# Altium PCB PCB-SM01.PcbDoc (part 1 of 4)
Units mm, origin at the board's own origin, x right, y up, seen from the top; angles counter-clockwise.
Board outline 208.23 x 194.9 mm, 2 copper layers (Top Layer, Bottom Layer); 394 components, 287 nets, 1171 pads, 418 vias.
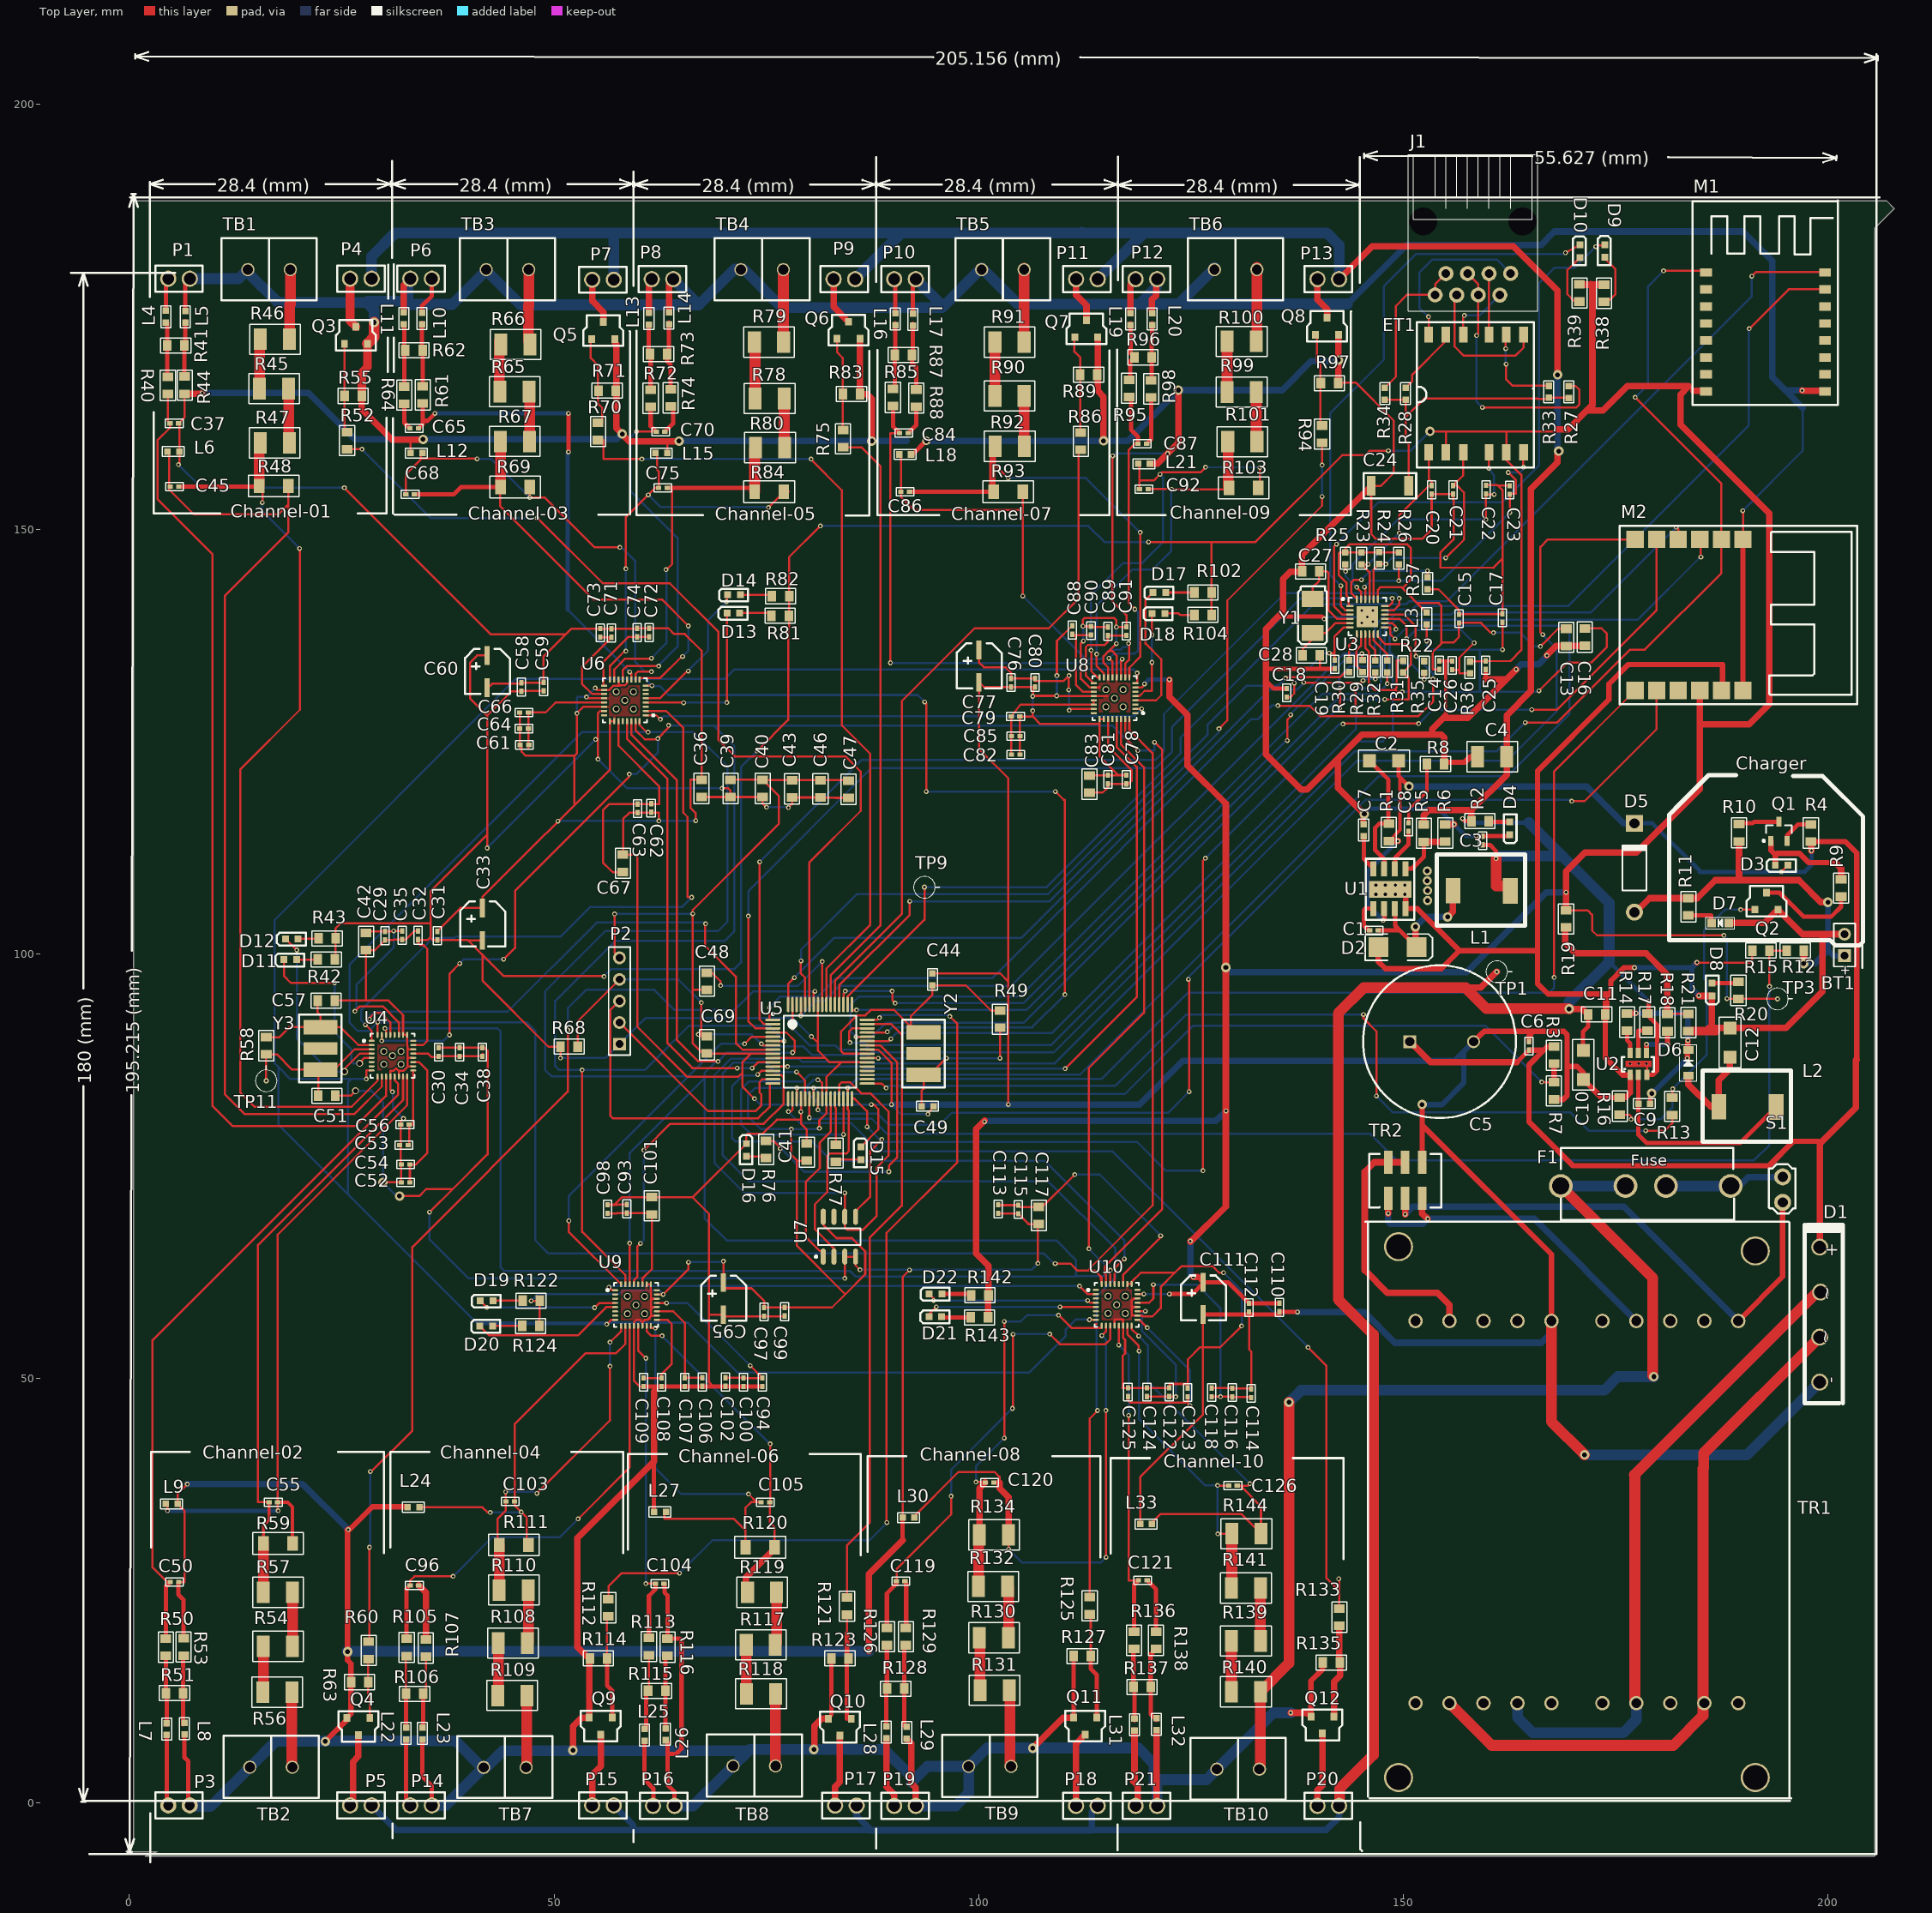
[diagram p0: Top Layer view]
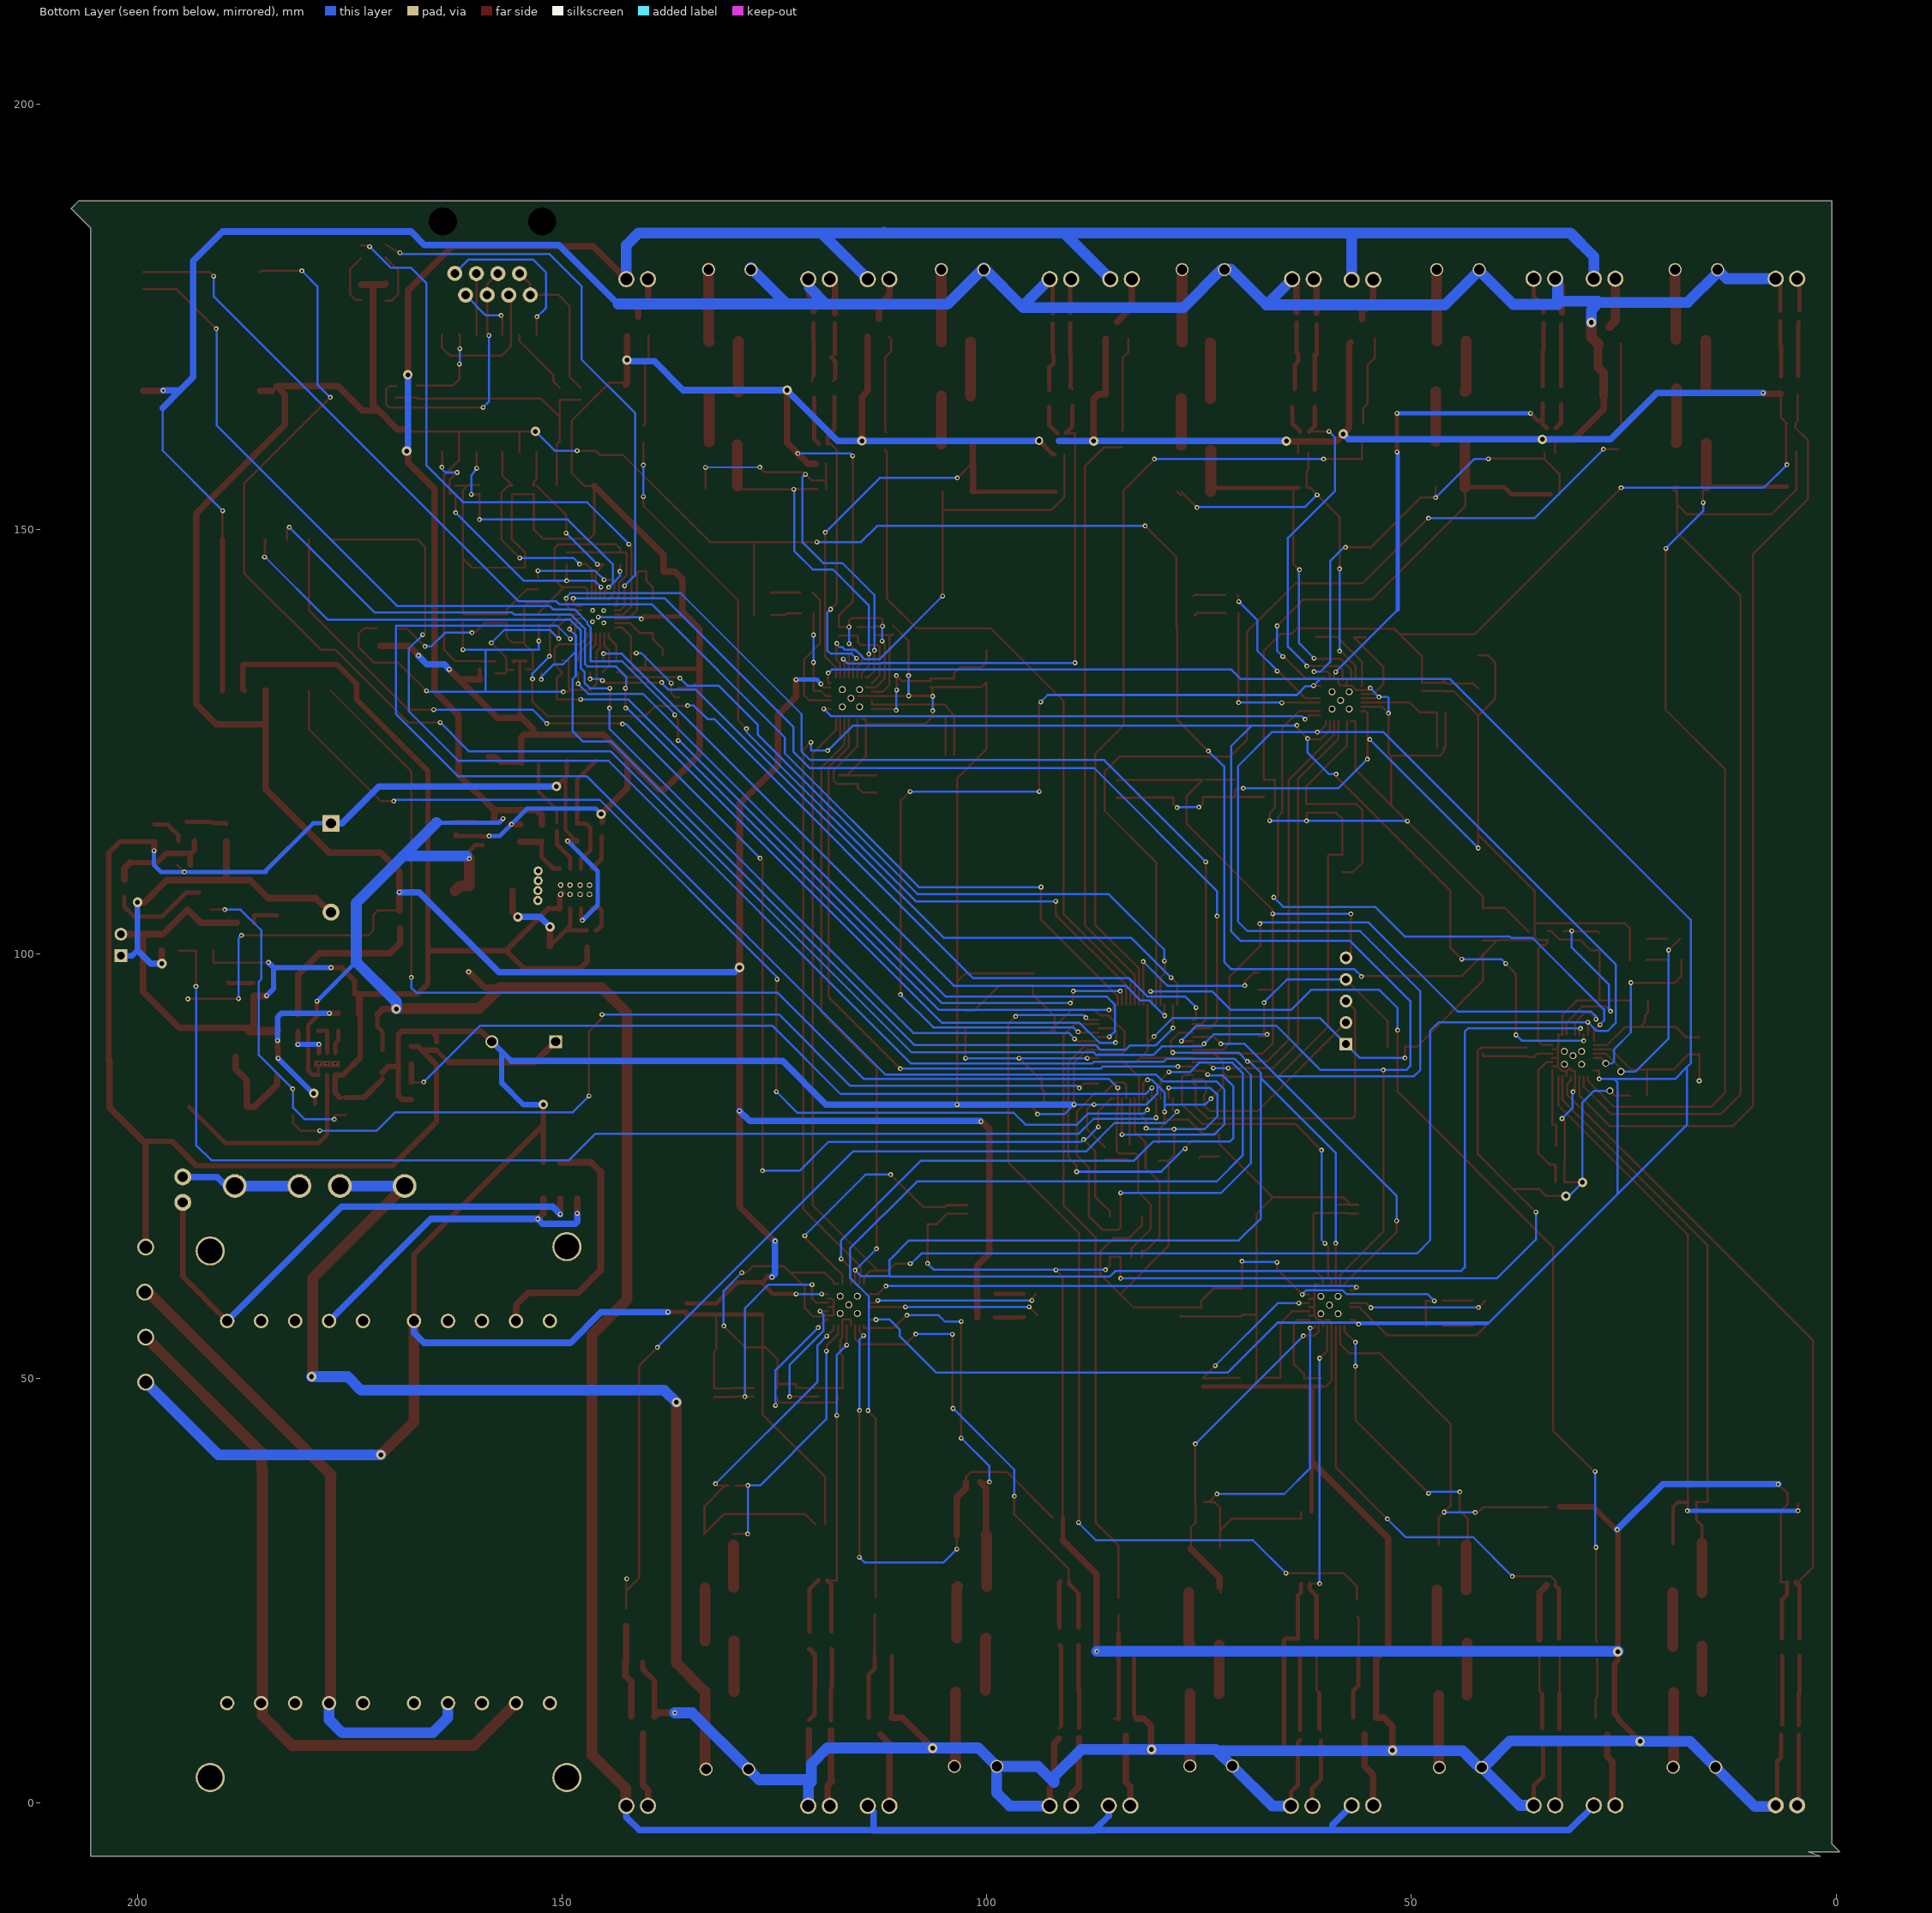
[diagram p1: Bottom Layer view, seen from below]

## Layer stack, top to bottom
Top Layer: signal copper 0.0356
Dielectric: dielectric 0.32, FR-4, Dk 4.8
Bottom Layer: signal copper 0.0356

## Board outline
1.859,-6.231 205.484,-6.231 205.484,185.444 207.784,187.744 206.859,188.669 0.484,188.669 0.484,-4.831 -0.441,-5.756 3.234,-5.756

## Design rules (kind name [scope] priority, off if disabled: settings)
Clearance [All] p1: gap=0.198
PolygonConnect [All] p1: connectstyle=Relief reliefconductorwidth=0.254 reliefentries=4 polygonreliefangle="90 Angle" airgapwidth=0.254
RoutingTopology [All] p1: topology=Daisy_MidDriven
RoutingVias [All] p1: holewidth=0.305 width=0.559 viastyle="Through Hole" minholewidth=0.305 minwidth=0.559 maxholewidth=0.305 maxwidth=0.559
SolderMaskExpansion [All] p1: expansion=0.102
Width [All] p1: maxlimit=1.27 minlimit=0.254 preferedwidth=0.254
27 further rules are at their usual default settings.

## Classes and differential pairs
component class Sheet3-new: C73 C75 C93 C95 C96 C99 C100 C102 C103 C104 C105 C106 C107 C108 C109 C110 C111 C112 C113 C114 C115 C116 C117 C118 C119 C120 C121 C122 C123 C124 C125 C126 D19 D20 D21 D22 L22 L23 L24 L25 L26 L27 L28 L29 L30 L31 L32 L33 L34 L35 L36 L37 L38 L39 L40 L41 L42 L43 M2 P14 P15 P16 P17 P18 P19 P20 P21 Q9 Q10 Q11 Q12 R98 R105 R106 R107 R108 R109 R110 R111 R113 R114 R115 R116 R118 R119 R120 R121 R122 R123 R124 R126 R127 R128 R129 R130 R131 R132 R134 R136 R137 R138 R139 R140 R141 R142 R143 R144 TB7 TB8 TB9 TB10 U9 U10 U11
component class Sheet2-new: C29 C30 C31 C32 C33 C34 C35 C38 C39 C42 C45 C46 C48 C49 C50 C51 C52 C53 C54 C55 C56 C57 C58 C59 C60 C61 C62 C63 C64 C65 C66 C67 C68 C70 C71 C72 C73 C74 C75 C76 C77 C78 C79 C80 C81 C82 C83 C84 C85 C86 C87 C88 C89 C90 C91 C92 D11 D12 D13 D14 D15 D16 D17 D18 L5 L6 L7 L8 L9 L10 L11 L12 L13 L14 L15 L16 L17 L18 L19 L20 L21 P1 P2 P3 P4 P5 P6 P8 P9 P10 P11 P12 P13 Q2 Q4 Q5 Q6 Q7 Q8 R26 R32 R40 R41 R42 R44 R45 R46 R47 R48 R50 R51 R52 R53 R54 R55 R56 R57 R59 R60 R61 R62 R63 R64 R65 R66 R67 R68 R69 R70 R71 R72 R73 R74 R75 R76 R77 R78 R79 R80 R81 R82 R84 R85 R86 R87 R88 R90 R91 R92 R93 R94 R95 R96 R98 R99 R100 R101 R102 R103 R104 TB2 TB3 TB5 TP9 TP11 U1 U6 U7 U8 Y2 Y3
component class Sheet1-new: BT1 C1 C2 C3 C4 C7 C8 C9 C10 C12 C14 C15 C17 C18 C19 C20 C21 C22 C23 C26 C27 D2 D3 D4 D6 D7 D8 D9 D10 F1 J1 L3 Q1 Q2 R1 R2 R3 R4 R5 R6 R7 R8 R9 R10 R11 R13 R14 R15 R16 R17 R18 R19 R20 R21 R24 R25 R26 R27 R28 R30 R31 R32 R33 R34 R37 R38 R39 S1 TP1 TP3 TR1 TR2 U2 Y1

## Components (designator, comment, footprint, x,y, rotation, side; value= is the part's Value field where it differs from the comment)
BT1 "9.0V" BAT-2 201.925,101.03 r90 top
C1 "10nF/6.3V" 0402C-GENERIC 146.02,102.731 r0 top
C2 "10uF/50V" 1206C-GENERIC 149.423,122.721 r180 top
C3 ".1uF" 0402C-GENERIC 159.304,112.815 r90 top
C4 "47uF/6.3V" 1210C-GENERIC 162.149,123.204 r180 top
C5 "2200uF/35v" 2200uF-Nichicon 150.737,89.65 r0 top
C6 "10n/35V" 0402C-GENERIC 164.765,88.634 r90 top
C7 ".1uF/50V" 0603C-GENERIC 145.309,113.857 r90 top
C8 "2.2nF/6.3V" 0402C-GENERIC 150.592,114.415 r90 top
C9 "1uF/6.3V" 0603C-GENERIC 179.05,82.35 r180 top
C10 "22uF" 1206C-GENERIC 171.166,88.634 r270 top
C11 "Comment" 0805C-GENERIC 171.979,92.851 r0 top
C12 "22uF" 1206C-GENERIC 188.438,87.822 r90 top
C13 "10uF/6.3V" 0805C-GENERIC 169.159,138.012 r270 top
C14 "100nF/35V" 0402C-GENERIC 154.199,133.465 r90 top
C15 "100nF/35V" 0402C-GENERIC 156.535,138.952 r90 top
C16 "10uF/6.3V" 0805C-GENERIC 171.348,138.049 r270 top
C17 "100nF/35V" 0402C-GENERIC 161.641,139.028 r90 top
C18 "1uF" 0402C-GENERIC 136.241,130.214 r90 top
C19 "470pF" 0402C-GENERIC 141.88,134.583 r270 top
C20 "10pF/50V" 0402C-GENERIC 153.31,155.132 r270 top
C21 "10pF/50V" 0402C-GENERIC 155.85,155.132 r270 top
C22 "10pF/50V" 0402C-GENERIC 159.71,154.141 r90 top
C23 "10pF/50V" 0402C-GENERIC 162.504,154.09 r90 top
C24 "1000pF/3kV" 1808 150.592,155.106 r180 top
C25 "22nF/16V" 0402C-GENERIC 159.66,134.481 r270 top
C26 "100nF/35V" 0402C-GENERIC 155.748,133.44 r90 top
C27 "18pF/6.3V" 0805C-TBD 139.822,145.022 r180 top
C28 "18pF/6.3V" 0805C-TBD 138.374,135.142 r0 top
C29 "100nF/10V" 0402C-GENERIC 30.094,101.614 r90 top
C30 "1uF/6.3V" 0402C-GENERIC 36.419,87.923 r90 top
C31 "150pF/10V" 0402C-GENERIC 36.241,101.614 r90 top
C32 "100nF" 0402C-GENERIC 33.955,101.665 r90 top
C33 "100uF" 100uF/10V 41.55,101.573 r0 top
C34 "150pF/10V" 0402C-GENERIC 38.883,87.923 r90 top
C35 "150pF/10V" 0402C-GENERIC 32.101,102.681 r270 top
C36 "100n" 0805C-TBD 67.356,118.708 r90 top
C37 "10n/16V" 0402C-GENERIC 5.786,162.447 r180 top
C38 "100nF/10V" 0402C-GENERIC 41.55,88.939 r270 top
C39 "100n" 0805C-TBD 70.76,118.708 r90 top
C40 "100n" 0805C-TBD 74.544,118.708 r90 top
C41 "100n" 0805C-TBD 79.751,77.408 r270 top
C42 "4.7uF/16V" 0805C-GENERIC 27.859,100.674 r90 top
C43 "100n" 0805C-TBD 77.999,118.657 r90 top
C44 "30pF" 0603C-TBD 94.534,96.28 r90 top
C45 "10n/16V" 0402C-GENERIC 4.796,155.005 r0 top
C46 "100n" 0805C-TBD 81.351,118.657 r90 top
C47 "100n" 0805C-TBD 84.653,118.606 r90 top
C48 "100nF" 0805C-TBD 67.991,97.524 r270 top
C49 "30pF" 0603C-GENERIC 93.264,82.056 r0 top
C50 "10n/16V" 0402C-GENERIC 5.812,26.023 r180 top
C51 "10pF" 0805C-TBD 22.474,83.275 r0 top
C52 "150pF" 0402C-GENERIC 33.015,73.09 r180 top
C53 "150pF" 0402C-GENERIC 32.812,77.484 r180 top
C54 "100nF" 0402C-GENERIC 33.015,75.172 r180 top
C55 "10n/16V" 0402C-GENERIC 17.445,35.421 r180 top
C56 "100nF" 0402C-GENERIC 32.939,79.871 r180 top
C57 "10pF" 0805C-TBD 22.398,94.476 r0 top
C58 "150pF/10V" 0402C-GENERIC 46.147,130.9 r90 top
C59 "100nF" 0402C-GENERIC 48.763,131.967 r270 top
C60 "100uF" 100uF/10V 42.108,131.316 r0 top
C61 "1uF/6.3V" 0402C-GENERIC 47.015,124.587 r180 top
C62 "100nF" 0402C-GENERIC 61.412,117.667 r270 top
C63 "150pF/10V" 0402C-GENERIC 59.838,117.616 r270 top
C64 "150pF/10V" 0402C-GENERIC 46.96,126.506 r180 top
C65 "10n/16V" 0402C-GENERIC 33.015,161.863 r0 top
C66 "100nF" 0402C-GENERIC 46.96,128.411 r180 top
C67 "4.7uF" 0805C-GENERIC 58.085,109.894 r90 top
C68 "10n/16V" 0402C-GENERIC 32.533,154.09 r0 top
C69 ".1uF" 0805C-TBD 67.991,88.507 r90 top
C70 "10n/16V" 0402C-GENERIC 63.038,161.482 r180 top
C71 "150pF" 0402C-GENERIC 56.739,137.25 r90 top
C72 "150pF" 0402C-GENERIC 61.189,137.301 r90 top
C73 "100nF" 0402C-GENERIC 55.418,137.275 r90 top
C74 "100nF" 0402C-GENERIC 59.761,138.317 r270 top
C75 "10n/16V" 0402C-GENERIC 62.301,154.852 r0 top
C76 "150pF/10V" 0402C-GENERIC 103.805,132.424 r270 top
C77 "100uF" 100uF/10V 100.02,131.967 r0 top
C78 "100nF" 0402C-GENERIC 117.369,120.003 r90 top
C79 "1uF/6.3V" 0402C-GENERIC 103.805,127.928 r0 top
C80 "100nF" 0402C-GENERIC 106.599,132.424 r270 top
C81 "150pF/10V" 0402C-GENERIC 115.184,120.003 r90 top
C82 "150pF/10V" 0402C-GENERIC 103.83,123.432 r0 top
C83 "4.7uF" 0805C-GENERIC 113.025,119.216 r90 top
C84 "10n/16V" 0402C-GENERIC 91.689,161.304 r180 top
C85 "100nF" 0402C-GENERIC 103.83,125.642 r0 top
C86 "10n/16V" 0402C-GENERIC 90.826,154.395 r0 top
C87 "10n/16V" 0402C-GENERIC 119.756,160.059 r180 top
C88 "150pF" 0402C-GENERIC 111.019,137.606 r90 top
C89 "150pF" 0402C-GENERIC 115.184,137.453 r90 top
C90 "100nF" 0402C-GENERIC 113.203,137.529 r90 top
C91 "100nF" 0402C-GENERIC 117.369,137.479 r90 top
C92 "10n/16V" 0402C-GENERIC 118.918,154.7 r0 top
C93 "100nF" 0402C-GENERIC 58.542,69.457 r90 top
C94 "1uF/6.3V" 0402C-GENERIC 74.519,50.052 r270 top
C95 "100uF" 100uF/10V 69.921,57.494 r0 top
C96 "10n/16V" 0402C-GENERIC 34.057,25.642 r180 top
C97 "100nF" 0402C-GENERIC 74.722,58.332 r270 top
C98 "150pF/10V" 0402C-GENERIC 56.282,69.432 r90 top
C99 "150pF/10V" 0402C-GENERIC 77.135,58.358 r270 top
C100 "150pF/10V" 0402C-GENERIC 72.309,49.036 r90 top
C101 "4.7uF/16V" 0805C-GENERIC 61.489,69.559 r90 top
C102 "100nF" 0402C-GENERIC 70.175,50.077 r270 top
C103 "10n/16V" 0402C-GENERIC 45.334,35.498 r180 top
C104 "10n/16V" 0402C-GENERIC 62.936,25.846 r180 top
C105 "10n/16V" 0402C-GENERIC 74.366,35.421 r0 top
C106 "150pF" 0402C-GENERIC 67.458,50.077 r270 top
C107 "100nF" 0402C-GENERIC 65.395,50.066 r270 top
C108 "150pF" 0402C-GENERIC 62.632,50.052 r270 top
C109 "100nF" 0402C-GENERIC 60.549,50.052 r270 top
C110 "150pF/10V" 0402C-GENERIC 135.377,58.866 r270 top
C111 "100uF" 100uF/10V 126.386,57.519 r0 top
C112 "100nF" 0402C-GENERIC 131.821,58.84 r270 top
C113 "100nF" 0402C-GENERIC 102.256,70.448 r270 top
C114 "1uF/6.3V" 0402C-GENERIC 132.075,47.74 r90 top
C115 "150pF/10V" 0402C-GENERIC 104.669,70.397 r270 top
C116 "150pF/10V" 0402C-GENERIC 129.84,47.817 r90 top
C117 "4.7uF/16V" 0805C-GENERIC 107.056,69.94 r270 top
C118 "100nF" 0402C-GENERIC 127.427,47.842 r90 top
C119 "10n/16V" 0402C-GENERIC 91.308,26.125 r180 top
C120 "10n/16V" 0402C-GENERIC 101.768,37.747 r180 top
C121 "10n/16V" 0402C-GENERIC 119.807,26.227 r180 top
C122 "150pF" 0402C-GENERIC 122.423,47.867 r90 top
C123 "150pF" 0402C-GENERIC 124.608,47.842 r90 top
C124 "100nF" 0402C-GENERIC 119.807,47.867 r90 top
C125 "100nF" 0402C-GENERIC 117.546,47.867 r90 top
C126 "10n/16V" 0402C-GENERIC 130.419,37.366 r180 top
D1 "Comment" "DiodeBridge-Vishay 21x4" 199.006,65.461 r270 top
D2 "PDS 560" SMB 149.286,100.776 r0 top
D3 "2V/20mA" LED-SM 195.272,110.428 r180 top
D4 "2V/20mA" LED-SM 162.504,115.508 r270 top
D5 "1N5400/3A" DO-41 177.186,110.123 r90 top
D6 "1N4001" sod-123 183.536,88.685 r270 top
D7 "D Zener" SOD323 188.285,103.62 r0 top
D8 "2V/20mA" LED-SM 186.304,96.534 r270 top
D9 "2V/20mA" LED-SM 173.685,181.99 r90 top
D10 "2V/20mA" LED-SM 170.759,181.978 r90 top
D11 "LED2" LED-SM 19.682,99.302 r180 top
D12 "LED2" LED-SM 19.859,101.766 r180 top
D13 "LED2" LED-SM 71.853,140.12 r180 top
D14 "LED2" LED-SM 71.929,142.279 r180 top
D15 "LED2" LED-SM 86.101,75.757 r90 top
D16 "LED2" LED-SM 72.639,76.138 r90 top
D17 "LED2" LED-SM 121.993,142.533 r180 top
D18 "LED2" LED-SM 121.891,140.069 r180 top
D19 "LED2" LED-SM 42.796,59.145 r180 top
D20 "LED2" LED-SM 42.745,56.173 r180 top
D21 "LED2" LED-SM 95.628,57.291 r180 top
D22 "LED2" LED-SM 95.653,59.958 r180 top
ET1 "hx1224nl" HX1224-NL 152.959,159.055 r0 top
F1 "250mA/250 AC" "FuseHolder - duplicate" 168.514,72.658 r0 top
J1 "RJ45-GENERIC" RJ45-8/8 153.721,177.571 r270 top
L1 "Comment" "Murata 15uH inductor" 155.831,107.405 r0 top
L2 "Comment" "Murata 15uH inductor" 187.123,81.954 r0 top
L3 "FB1" 0603C-2U2 152.725,138.774 r90 top
L4 "Comment" 0603R-0R 4.288,175.706 r270 top
L5 "FeILB" 0603C-TBD 6.574,175.686 r270 top
L6 "FeILB" 0603C-TBD 5.869,159.119 r180 top
L7 "FeILB" 0603C-TBD 4.389,8.015 r90 top
L8 "FeILB" 0603C-TBD 6.472,8.059 r90 top
L9 "FeILB" 0603R-0R 5.666,35.218 r180 top
L10 "FeILB" 0603R-0R 34.438,175.483 r270 top
L11 "FeILB" 0603C-TBD 32.304,175.502 r270 top
L12 "FeILB" 0603R-0R 33.091,158.942 r0 top
L13 "FeILB" 0603R-0R 61.158,175.477 r270 top
L14 "FeILB" 0603C-TBD 63.521,175.528 r270 top
L15 "FeILB" 0603C-TBD 63.324,158.942 r180 top
L16 "FeILB" 0603C-TBD 90.165,175.426 r270 top
L17 "FeILB" 0603R-0R 92.248,175.375 r270 top
L18 "FeILB" 0603C-TBD 92.026,158.789 r180 top
L19 "FeILB" 0603C-TBD 117.851,175.426 r270 top
L20 "FeILB" 0603R-0R 120.417,175.426 r270 top
L21 "FeILB" 0603C-TBD 120.143,157.697 r180 top
L22 "FeILB" 0603C-TBD 32.579,7.495 r90 top
L23 "FeILB" 0603C-TBD 34.484,7.495 r90 top
L24 "FeILB" 0603C-TBD 32.736,34.837 r0 top
L25 "FeILB" 0603C-TBD 60.646,7.317 r90 top
L26 "FeILB" 0603C-TBD 63.114,7.399 r90 top
L27 "FeILB" 0603C-TBD 61.762,34.278 r0 top
L28 "FeILB" 0603C-TBD 89.119,7.648 r90 top
L29 "FeILB" 0603C-TBD 91.507,7.597 r90 top
L30 "FeILB" 0603C-TBD 91.029,33.618 r0 top
L31 "FeILB" 0603C-TBD 118.329,8.53 r90 top
L32 "FeILB" 0603C-TBD 120.92,8.581 r90 top
L33 "FeILB" 0603C-TBD 118.994,32.856 r0 top
M1 "Comment" "ESP 8266-12E" 185.623,180.213 r0 top
M2 "MRF24J40MA" "MRF24J40MA-zigBEE module" 177.262,148.782 r270 top
P1 "Header 2" BG090-header#1 4.564,179.48 r0 top
P2 "Header 5" HDR1X5 57.683,89.357 r90 top
P3 "Header 2" BG090-header#2 4.564,-0.276 r0 top
P4 "Header 2" BG090-header#1 28.516,179.48 r180 top